# Altium PCB Thermostat_8CH.PCBDOC (part 9 of 10)
Units mil, origin at the board's own origin, x right, y up, seen from the top; angles counter-clockwise.
Board outline 8409.08 x 3937.01 mil, 4 copper layers (TOP, G1, L2, BOT), stack 61.024 mil thick; 941 components, 513 nets, 2912 pads, 1409 vias.
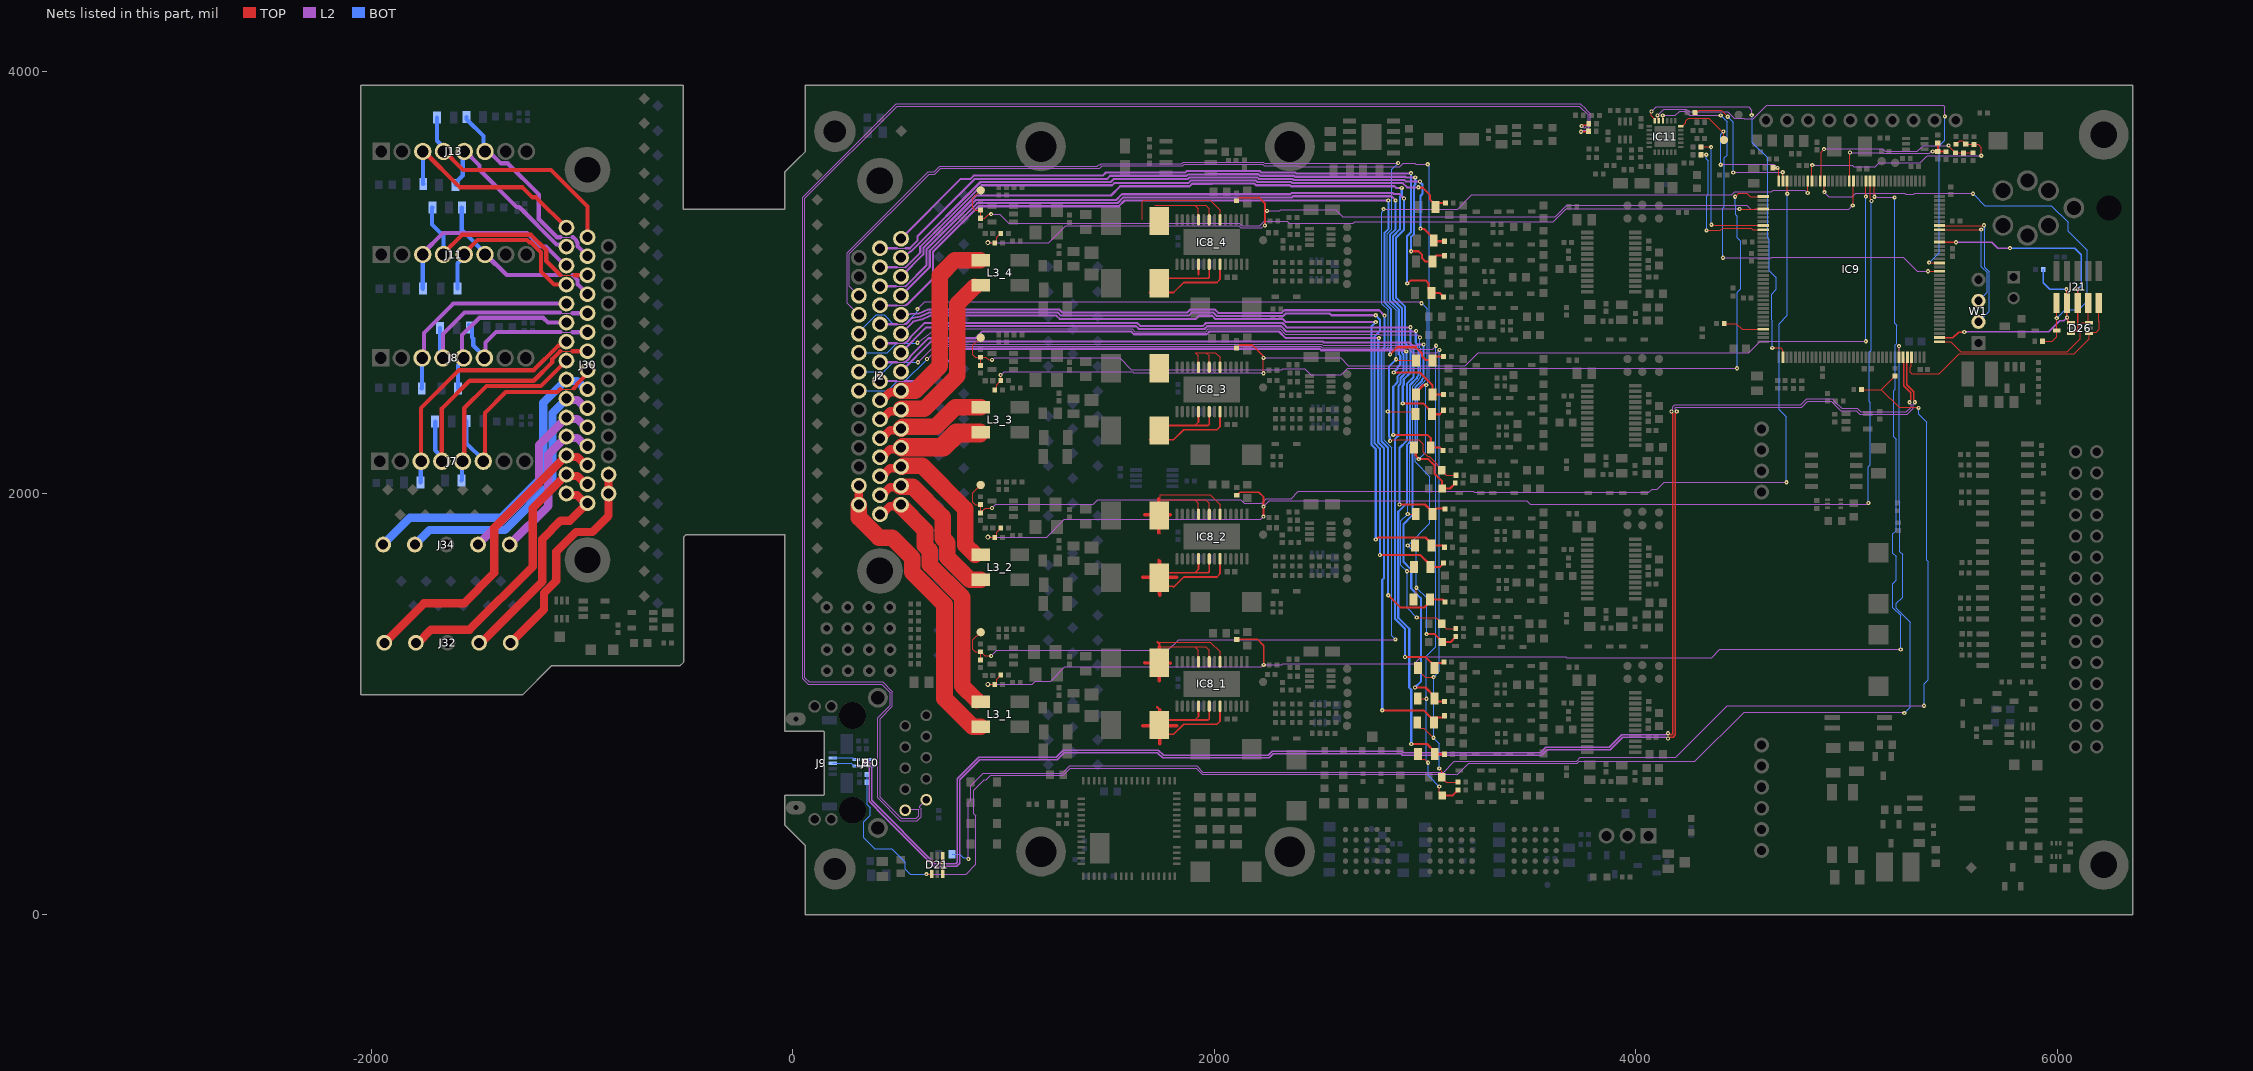
[diagram p11: the nets of this part, all layers, seen from the top]

## Via types
v1: diameter 19.68, hole 7.87, TOP to BOT, tented both sides, 1030 vias
v2: diameter 27.56, hole 15.75, TOP to BOT, tented both sides, 191 vias
v3: diameter 23.62, hole 11.81, TOP to BOT, tented both sides, 97 vias
v4: diameter 23.62, hole 11.81, TOP to BOT, 81 vias
v5: diameter 25.98, hole 12.99, TOP to BOT, tented both sides, 10 vias

## Nets (pads, with @x,y where several pads share a name; then routed paths per layer and width w, separated by ;. In a path a pad name is that pad's centre, name@x,y a point inside that pad or via, vN(x,y) a via of type N, cw(c..) or ccw(c..) an arc to the next point about the centre after c; other vN are vias at no path point) (continued)
RMII_MDIO: B17.1 IC9.36 IC11.12 R98.2 | length 812
  TOP w5: IC11.12@4213.37,3742.13 4221.44,3742.13 4237.67,3758.35 4237.67,3767.2 4250.89,3780.41 4345.37,3780.41 4406.45,3719.34 4412.56,3719.34 v1(4415.37,3716.53) ; v1@4415,3716 4416.69,3714.31 4416.69,3678.31 B17.1@4418,3677 ; R98.2@4650.27,3544.75 v1@4667.72,3544.75 ; v1(4672.99,3544.51) 4672.99,3539.48 4678.26,3534.21 IC9.36@4678.26,3482.03
  L2 w5: v1(4403.34,3559.43) 4406.01,3562.09 4655.4,3562.09 v1(4672.99,3544.51)
  BOT w5: v1(4403.34,3559.43) 4403.34,3704.04 4415.37,3716.07 v1(4415.37,3716.53)
RMII_REF_CLK: IC9.35 R29.1 | length 725.4
  TOP w5: R29.1@4280.24,3806.89 4285.26,3811.91 4296.23,3811.91 4301.66,3817.34 4405.43,3817.34 v1(4436,3786.76) ; v1(4697.01,3523.6) 4697.48,3523.13 4697.48,3482.5 IC9.35@4697.95,3482.03
  L2 w5: v1(4462.45,3522.15) 4463.18,3522.88 4696.28,3522.88 v1(4697.01,3523.6)
  BOT w5: v1(4436,3786.76) 4462.45,3760.31 v1(4462.45,3522.15)
RMII_RXD0: IC9.44 R23.1 | length 666.1
  TOP w5: R23.1@4308.89,3642.91 R23.1@4308.89,3643.7 4356.56,3643.7 v1(4357.34,3642.91) ; v1(4358.71,3274.37) 4361.37,3271.71 4603.15,3271.71 IC9.44@4604.44,3270.41
  BOT w5: v1(4357.34,3642.91) 4358.03,3642.23 4358.03,3275.05 v1(4358.71,3274.37)
RMII_RXD1: IC9.45 R24.1 | length 668.1
  TOP w5: R24.1@4308.65,3606.3 v1(4334.49,3606.3) ; v1(4336.15,3247.88) 4400.49,3247.88 4411.55,3258.94 4547.02,3258.94 4555.23,3250.73 IC9.45@4604.44,3250.73
  BOT w5: v1(4334.49,3606.3) 4334.49,3587.32 4344.5,3577.31 4344.5,3419.15 4336.15,3410.81 v1(4336.15,3247.88)
RMII_TX_EN: IC9.126 IC11.16 | length 2070.8
  TOP w5: v1(4127.83,3793.62) 4128.28,3793.17 4128.28,3768.17 IC11.16@4128.73,3767.72 ; v1(5386.29,3053.88) IC9.126@5441.06,3053.88
  L2 w5: v1(4127.83,3793.62) 4187.57,3793.62 4207.59,3813.64 4235.72,3813.64 4256.05,3793.31 v1(4403.34,3793.31) ; v1(4413.51,3117.5) 4643.94,3117.5 4646.88,3120.43 5268.54,3120.43 5335.09,3053.88 v1(5386.29,3053.88)
  BOT w5: v1(4403.34,3793.31) 4432.72,3763.94 4432.72,3604.94 4420.68,3592.9 4420.68,3360.77 4413.51,3353.6 v1(4413.51,3117.5)
RMII_TXD0: IC9.128 IC11.17 | length 2273.7
  TOP w5: v1(4103.14,3793.62) 4103.14,3789.65 4106.03,3786.76 4106.03,3770.73 IC11.17@4109.04,3767.72 ; v1(5391.77,3094.48) 5392.39,3093.87 5440.44,3093.87 IC9.128@5441.06,3093.25
  L2 w5: v1(4103.14,3793.62) 4133.16,3823.64 4239.86,3823.64 4252.85,3810.66 4436.63,3810.66 4468.07,3779.22 4511.9,3779.22 4513.8,3777.32 4557.62,3777.32 4621.76,3841.46 5459.54,3841.46 5466.64,3834.36 v1(5466.64,3788.65)
  BOT w5: v1(5391.77,3094.48) 5439,3141.71 5439,3648.51 5466.64,3676.15 v1(5466.64,3788.65)
RMII_TXD1: IC9.74 IC11.18 | length 1821
  TOP w5: v1(4074.31,3811.74) 4073.25,3810.68 4073.25,3791.89 4089.36,3775.79 IC11.18@4089.36,3767.72 ; v1(4647.4,2690.04) 4687.41,2690.04 4697.95,2679.5 IC9.74@4697.95,2645.41
  L2 w5: v1(4074.31,3811.74) 4096.91,3834.34 4536.76,3834.34 4543.02,3828.08 4543.02,3825.88 4550.43,3818.47 v1(4550.43,3794.66)
  BOT w5: v1(4550.43,3794.66) 4552.49,3792.6 4552.49,3664.69 4625.4,3591.78 4625.4,3212.64 4634.07,3203.97 4634.07,3056.32 4666.95,3023.45 4666.95,2968.21 4644.07,2945.34 4644.07,2820.22 4647.4,2816.89 v1(4647.4,2690.04)
RSTn: D5.2 IC9.25 J21.10 R62.2 | length 2107.9
  TOP w5: v1(4894.8,3429.35) IC9.25@4894.8,3482.03 ; R62.2@5930.18,2721.3 5975.58,2721.3 5996.85,2742.57 J21.10@5996.85,2897.64
  L2 w5: v1(4894.8,3429.35) 4916.53,3407.62 5027.09,3407.62 5044.43,3424.96 5275.41,3424.96 5281.31,3419.06 5318.04,3419.06 5323.94,3424.96 5589.93,3424.96 5590.6,3424.29 5597.39,3424.29 v1(5600.2,3421.48)
  BOT w5: v1(5600.2,3421.48) 5656.52,3365.16 5972.47,3365.16 6050.98,3286.65 6050.98,3243.97 6142,3152.95 6142,2911.77 6101.78,2871.55 6037.97,2871.55 v1(5997.75,2831.33)
RXD: IC9.137 W1.2 | length 701.6
  TOP w5: IC9.137@5441.06,3270.41 5650.73,3270.41 v1(5652.19,3271.87)
  BOT w5: W1.2@5625.98,2813.39 5676.95,2864.35 5676.95,3052.12 5656.34,3072.72 5656.34,3258.18 5655,3259.53 5655,3269.06 v1(5652.19,3271.87)
SENS0_1: J2.23 R40_1.1 R91_1.1 | length 4268.4
  TOP w10: v1(2904.95,1222.77) 3002.9,1222.77 R91_1.1@3044.77,1180.91 ; R91_1.1@3044.77,1171.06 R91_1.1@3044.77,1180.91 ; R40_1.1@3088.96,1198.56 3085.01,1194.61 3058.47,1194.61 R91_1.1@3044.77,1180.91
  L2 w5: 491.22,2531.8 529.65,2531.8
  L2 w10: J2.23@413,2531.31 413.67,2531.98 491.04,2531.98 ; 529.65,2531.8 642.09,2531.8 796.23,2685.94 2499.79,2685.94 2506.79,2678.94 2902.41,2678.94 v1@2902.67,2678.68
  BOT w10: v1(2904.95,1222.77) 2904.95,1356.21 2857.76,1403.4 2857.76,2258.05 2873.84,2274.14 2873.84,2509.56 2883.52,2519.25 2883.52,2547.19 2912.29,2575.96 2912.29,2671.91 v1(2910.87,2673.33)
SENS0_2: J2.8 R42_1.1 R44_1.1 | length 4441.6
  TOP w10: v1(2952.15,1078.58) 3001.9,1078.58 3043.71,1036.76 3043.71,1017.08 3049.15,1011.64 R42_1.1@3092.52,1011.64
  L2 w10: J2.8@513,2577.06 656.88,2720.94 2514.29,2720.94 2518.88,2716.35 2924.2,2716.35 2938.58,2701.96 2962.32,2701.96 2966.64,2706.28 v1(2993,2706.28)
  BOT w10: v1(2952.15,1078.58) 2979.95,1106.37 2979.95,1502.36 2934.21,1548.1 2934.21,1637.92 2897.76,1674.38 2897.76,1853.61 2939.77,1895.63 2939.77,2219.58 2953.52,2233.33 2953.52,2503.34 2985.71,2535.53 2985.71,2540.75 2993,2548.04 v1(2993,2706.28)
SENS0_2_N: J2.10 R42_2.1 R44_2.1 | length 3710.4
  TOP w10: v1(2765.75,1780.71) 2768.37,1780.71 2777.92,1790.26 3002.15,1790.26 3030.86,1761.56 R44_2.1@3030.86,1751.72 3085.58,1751.72 3092.5,1744.8 R42_2.1@3092.5,1744.01
  L2 w10: J2.10@513,2757.37 570.23,2814.6 608.66,2824.39 612.71,2825.44 652.75,2842.89 1250.41,2842.89 1265.43,2827.87 1912.79,2827.87 1927.2,2842.28 1989.51,2842.28 2005.36,2826.43 2325.64,2826.43 2339.84,2812.23 v1(2765.75,2812.23)
  BOT w10: v1(2765.75,1780.71) 2765.75,2210.34 2745.58,2230.51 2745.58,2792.05 v1(2765.75,2812.23)
SENS0_2_P: J2.25 R40_2.1 R91_2.1 | length 3685.7
  TOP w10: v1(2878.41,1946.8) 2999.27,1946.8 R91_2.1@3034.37,1911.71 ; R91_2.1@3034.37,1901.86 R91_2.1@3034.37,1911.71 ; R91_2.1@3040.94,1918.28 R91_2.1@3034.37,1911.71 ; R91_2.1@3050.07,1927.41 R40_2.1@3092.53,1927.41
  L2 w5: 494.4,2712.11 528.77,2712.11
  L2 w10: J2.25@413,2711.62 413.49,2712.11 494.4,2712.11 ; 528.77,2712.11 529.65,2712.99 ccw(c513,2757.37) 557.38,2740.72 625.16,2808.5 1335.3,2808.5 1335.88,2807.92 1634.79,2807.92 1647.99,2794.72 1946.9,2794.72 1960.11,2807.92 2322.94,2807.92 2343.23,2787.63 v1(2930.82,2787.63)
  BOT w10: v1(2878.41,1946.8) 2878.41,2214.79 2913.52,2249.9 2913.52,2420.71 2913.52,2519.91 2945.71,2552.09 2945.71,2691.39 2930.82,2706.28 v1(2930.82,2787.63)
SENS0_3_N: J2.12 R42_3.1 R44_3.1 | length 3763.3
  TOP w10: v1(2851.18,2573.09) 2974.16,2573.09 3035.48,2511.77 R44_3.1@3035.48,2468.23 3036.24,2469 R42_3.1@3087.55,2469
  L2 w10: J2.12@513,2937.69 649.06,3073.75 649.06,3151.46 874.54,3376.94 1540,3376.94 1567.22,3404.16 2366.98,3404.16 2372.44,3409.62 2840.38,3409.62 v1(2860,3390)
  BOT w10: v1(2851.18,2573.09) 2868.75,2590.66 2868.75,2597.73 2882.29,2611.27 2882.29,2652.63 2874.95,2659.98 2874.95,2872.78 2832.79,2914.94 2832.79,3226.08 2860,3253.28 v1(2860,3390)
SENS0_3_P: J2.27 R40_3.1 R91_3.1 | length 3743.9
  TOP w10: v1(2833.88,2659.09) 2867.96,2693.18 2956.19,2693.18 2985.44,2663.93 2985.44,2649.56 3001.77,2633.22 R91_3.1@3027.6,2633.22 ; R91_3.1@3035.48,2636.13 3049.18,2649.83 R40_3.1@3087.55,2649.83
  L2 w5: 493.91,2892.49 532.4,2892.49
  L2 w10: J2.27@413,2891.94 493.91,2891.94 ; 532.4,2891.94 ccw(c516.62,2936.64) 550.14,2903.12 664.06,3017.04 664.06,3145.25 880.75,3361.94 1546.22,3361.94 1573.44,3389.16 2824.38,3389.16 v1(2825,3389.78)
  BOT w10: v1(2825,3389.78) 2826.78,3388 2826.78,3255.42 2807.79,3236.43 2807.79,2904.58 2837.35,2875.02 2837.35,2688.16 2833.88,2684.69 v1(2833.88,2659.09)
SENS0_4_N: J2.14 R42_4.1 R44_4.1 | length 3018.5
  TOP w10: v1(2978,3256) 2979.85,3254.15 2995.56,3254.15 3041.14,3208.56 3041.14,3188.87 3048.44,3196.17 R42_4.1@3092.5,3196.17
  L2 w10: J2.14@513,3118 526.95,3118 557.03,3148.08 560.83,3148.08 890.13,3477.38 1508.95,3477.38 1523.63,3492.06 1874.82,3492.06 1881.5,3498.74 1975.9,3498.74 1976.43,3499.27 2203.03,3499.27 2210.23,3492.06 2371.57,3492.06 2376.26,3487.38 2900.49,3487.38 2908.38,3479.49 v1(2976.08,3479.49)
  BOT w10: v1(2976.08,3479.49) 2976.08,3476.87 2987.84,3465.11 2987.84,3420.9 2978,3411.06 v1(2978,3256)
SENS0_4_P: J2.29 R40_4.1 R91_4.1 | length 2945.7
  TOP w10: v1(2968,3452) 2969.85,3450.15 2988.91,3450.15 3022.84,3416.22 3022.84,3395.45 3048.86,3369.44 R91_4.1@3048.86,3363.26 ; R91_4.1@3048.86,3359.6 R91_4.1@3048.86,3363.26 ; R40_4.1@3096.38,3376.96 3062.56,3376.96 R91_4.1@3048.86,3363.26
  L2 w5: 493.1,3072.74 534.78,3072.74
  L2 w10: J2.29@413,3072.25 413.49,3072.74 493.1,3072.74 ; 534.78,3072.74 604.06,3142.03 604.06,3170.1 896.02,3462.06 1514.84,3462.06 1524.84,3472.06 1876.04,3472.06 1887.72,3483.74 1982.12,3483.74 1982.64,3484.27 2196.81,3484.27 2204.02,3477.06 2365.36,3477.06 2370.36,3472.06 2894.59,3472.06 2914.65,3452 v1(2968,3452)
SENS1_1: J2.24 R46_1.1 R50_1.1 | length 4577.6
  TOP w10: v1(2796.59,970.11) 2992.96,970.11 3027.82,935.24 3031.92,935.24 R50_1.1@3032.2,934.97 ; R50_1.1@3041.53,911.7 3032.2,921.03 R50_1.1@3032.2,934.97 ; R46_1.1@3092.52,944 3092.52,943.21 3084.55,935.24 3032.47,935.24 R50_1.1@3032.2,934.97
  L2 w5: 494.4,2621.96 528.77,2621.96
  L2 w10: J2.24@413,2621.46 413.49,2621.96 494.4,2621.96 ; 528.77,2621.96 529.65,2622.83 ccw(c513,2667.21) 557.38,2650.56 642.75,2735.94 865.79,2735.94 898.35,2768.5 1247.02,2768.5 1247.6,2767.92 1604.88,2767.92 1618.09,2754.72 1963.47,2754.72 1976.67,2767.92 2306.37,2767.92 2338.1,2736.19 v1(2780.42,2736.19)
  BOT w10: v1(2780.42,2736.19) 2780.42,2733.57 2777.79,2730.94 2777.79,2240.73 2804.97,2213.55 2804.97,1597.33 2796.59,1588.95 v1(2796.59,970.11)
SENS1_2: J2.9 R48_1.1 R132_1.1 | length 4745.6
  TOP w10: v1(2934.5,810.31) 3009.02,810.31 3045.9,773.43 3045.9,754.27 3053.21,761.58 R48_1.1@3092.52,761.58
  L2 w10: J2.9@513,2667.21 633.32,2787.53 666.9,2787.53 672.87,2793.5 1329.09,2793.5 1329.67,2792.92 1628.58,2792.92 1641.78,2779.72 1953.12,2779.72 1966.32,2792.92 2316.73,2792.92 2341.86,2767.78 2939.04,2767.78 2939.71,2768.45 2955.48,2768.45 v1(2957.34,2770.31)
  BOT w10: v1(2934.5,810.31) 2934.5,1068.17 2924.79,1077.88 2924.79,1357.58 2872.76,1409.61 2872.76,1913.08 2914.77,1955.09 2914.77,2229.93 2928.52,2243.69 2928.52,2513.69 2960.71,2545.88 2960.71,2551.1 2968,2558.39 2968,2680 2963.05,2684.95 2963.05,2707.54 2955.71,2714.88 2955.71,2768.68 v1(2957.34,2770.31)
SENS1_2_N: J2.11 R48_2.1 R132_2.1 | length 4001
  TOP w10: v1(2824.81,1516.08) 2883.57,1457.32 2995,1457.32 3023.7,1486.02 R132_2.1@3023.7,1495.86 3083.93,1495.86 3095,1484.8 R48_2.1@3095,1484.01
  L2 w10: J2.11@513,2847.53 598.77,2853.93 640.32,2872.89 1262.83,2872.89 1277.86,2857.87 1871.35,2857.87 1885.76,2872.28 2001.94,2872.28 2017.78,2856.43 2319.94,2856.43 2332.03,2868.51 2781.89,2868.51 v1(2807.51,2842.89)
  BOT w10: v1(2807.51,2842.89) 2807.51,2693.67 2792.79,2678.95 2792.79,2246.94 2824.81,2214.92 v1(2824.81,1516.08)
SENS1_2_P: J2.26 R46_2.1 R50_2.1 | length 3904.7
  TOP w10: v1(2785.12,1707.45) 2977.32,1707.45 3025.38,1659.39 R50_2.1@3025.38,1649.55 3069.33,1649.55 3087.77,1667.99 R46_2.1@3087.77,1668.78
  L2 w5: 494.4,2802.27 494.58,2802.45 532.26,2802.45
  L2 w10: J2.26@413,2801.78 413.49,2802.27 494.4,2802.27 ; 532.26,2802.45 536.87,2802.45 566.94,2832.53 605.44,2839.39 646.53,2857.89 1256.62,2857.89 1271.64,2842.87 1877.56,2842.87 1891.97,2857.28 1995.72,2857.28 2011.57,2841.43 2326.16,2841.43 2338.24,2853.51 2546.32,2853.51 2555.05,2844.78 v1(2765.75,2844.78)
  BOT w10: v1(2765.75,2844.78) 2785.59,2824.94 2785.59,2769.42 2760.58,2744.41 2760.58,2236.73 2785.59,2211.71 2785.59,1707.92 v1(2785.12,1707.45)
SENS1_3_N: J2.13 R48_3.1 R132_3.1 | length 4108.2
  TOP w10: v1(2848.9,2277.26) 3010.37,2277.26 3026.62,2261.01 R132_3.1@3026.62,2218.08 3069.81,2218.08 3084.47,2203.41 R48_3.1@3084.47,2202.62 R48_3.1@3083.32,2203.77
  L2 w10: J2.13@513,3027.84 619.06,3133.91 619.06,3163.89 868.56,3413.39 1509.27,3413.39 1552.95,3457.06 1882.25,3457.06 1893.93,3468.74 1988.33,3468.74 1988.86,3469.27 2190.6,3469.27 2197.81,3462.06 2359.15,3462.06 2364.15,3457.06 2854.83,3457.06 2862.3,3449.59 v1(2889,3449.59)
  BOT w10: v1(2848.9,2277.26) 2848.9,2505.84 2868.52,2525.46 2868.52,2553.4 2897.29,2582.17 2897.29,2658.85 2889.95,2666.19 2889.95,2878.99 2847.79,2921.15 2847.79,3219.86 2880.16,3252.23 2880.16,3407.22 2889,3416.06 v1(2889,3449.59)
SENS1_3_P: J2.28 R46_3.1 R50_3.1 | length 3986.2
  TOP w10: v1(2893.68,2426.8) 2991.25,2426.8 3033.03,2385.02 R50_3.1@3033.03,2375.18 3069.62,2375.18 3087.92,2393.48 R46_3.1@3087.92,2394.27
  L2 w5: 487.96,2982.59 534.78,2982.59
  L2 w10: J2.28@413,2982.09 413.49,2982.59 487.96,2982.59 ; 534.78,2982.59 634.06,3081.87 634.06,3157.68 868.32,3391.94 1533.79,3391.94 1561.01,3419.16 2360.76,3419.16 2366.23,3424.62 2846.59,3424.62 2851.47,3419.75 2879.25,3419.75 v1(2900,3399)
  BOT w10: v1(2893.68,2426.8) 2893.68,2508.19 2898.52,2513.04 2898.52,2540.98 2930.71,2573.16 2930.71,2685.18 2904.95,2710.94 2904.95,2885.21 2862.79,2927.37 2862.79,3213.65 2900,3250.86 v1(2900,3399)
SENS1_4_N: J2.15 R48_4.1 R132_4.1 | length 3321.2
  TOP w10: v1(2915,2996) 2917.62,2996 2931.9,3010.28 3003.53,3010.28 3016.35,2997.47 3016.35,2964.32 R132_4.1@3030.05,2950.62 3069.56,2950.62 3087.55,2932.64 R48_4.1@3087.55,2931.85
  L2 w10: J2.15@513,3208.16 797.23,3492.38 843.05,3492.38 858.05,3507.38 1470.97,3507.38 1485.65,3522.06 1862.4,3522.06 1869.08,3528.74 1963.48,3528.74 1964,3529.27 2215.45,3529.27 2222.66,3522.06 2384,3522.06 2388.69,3517.38 2931.28,3517.38 v1(2933.07,3519.17)
  BOT w10: v1(2915,2996) 2913.87,2997.13 2913.87,3218.99 2933.07,3238.19 v1(2933.07,3519.17)
SENS1_4_P: J2.30 R46_4.1 R50_4.1 | length 3267.6
  TOP w10: v1(2933.71,3148.56) 2968.92,3148.56 2985.88,3131.6 2985.88,3115.26 3000.98,3100.15 R50_4.1@3034.68,3100.15 3034.68,3110 3052.29,3127.6 R46_4.1@3092.5,3127.6
  L2 w5: 494.4,3162.9 534.78,3162.9
  L2 w10: J2.30@413,3162.41 413.49,3162.9 494.4,3162.9 ; 534.96,3163.08 554.61,3163.08 590.38,3198.84 590.38,3218.5 864.26,3492.38 1491.4,3492.38 1506.08,3507.06 1868.61,3507.06 1875.29,3513.74 1969.69,3513.74 1970.22,3514.27 2209.24,3514.27 2216.45,3507.06 2377.79,3507.06 2382.47,3502.38 2906.7,3502.38 2909.75,3499.33 v1(2953.09,3499.33)
  BOT w10: v1(2933.71,3148.56) 2933.71,3217.62 2948.16,3232.06 2948.16,3460.22 2953.09,3465.15 v1(2953.09,3499.33)
SENSB0_1: J7.6 J30.23 R157.1 | length 1034.7
  TOP w5: -1104.53,2493.71 -1103.45,2494.79 -1043,2494.79 -1040.24,2497.56
  TOP w19.68: J7.6@-1469.43,2157.96 -1461.52,2165.87 -1461.52,2381.89 -1362.77,2480.64 -1117.6,2480.64 -1104.53,2493.71 ; -1040.24,2497.56 -1027.06,2510.73 -1027.06,2516.94 -974.82,2569.19 J30.23@-974.82,2584.1
  L2 w5: J30.23@-974.82,2576.19 J30.23@-974.82,2584.1
  BOT w19.68: R157.1@-1548.37,2342 -1548.37,2236.91 J7.6@-1469.43,2157.96
SENSB0_2: J7.5 J30.8 R158.1 | length 938.4
  TOP w19.68: J7.5@-1567.85,2157.96 -1559.95,2165.87 -1559.95,2403.79 -1454.42,2509.32 -1195.35,2509.32 J30.8@-1074.82,2629.85
  L2 w5: J30.8@-1085.39,2629.85 J30.8@-1074.82,2629.85
  BOT w19.68: R158.1@-1572.63,2060 -1570.24,2062.39 -1570.24,2155.57 J7.5@-1567.85,2157.96
SENSB1_1: J7.4 J30.24 R159.1 | length 1256
  TOP w5: -1103.89,2675.2 -1103.45,2674.75 -1045.83,2674.75
  TOP w19.68: J7.4@-1666.28,2157.96 -1666.28,2401.72 -1534,2534 -1230.1,2534 -1141.95,2622.16 -1141.95,2637.14 -1103.89,2675.2 ; -1046.92,2675.84 -1045.83,2674.75 -1045.34,2674.26 J30.24@-974.82,2674.26
  L2 w5: J30.24@-975.31,2674.75 J30.24@-974.82,2674.26
  BOT w19.68: R159.1@-1697.74,2341 -1697.74,2204.34 -1666.28,2172.88 J7.4@-1666.28,2157.96
SENSB1_2: J7.3 J30.9 R160.1 | length 1173.9
  TOP w19.68: J7.3@-1764.7,2157.96 -1764.7,2403.79 -1584.39,2584.1 -1229.89,2584.1 -1114.11,2699.88 -1109.86,2699.88 -1089.73,2720.01 J30.9@-1074.82,2720.01
  BOT w19.68: R160.1@-1767.63,2052 -1766.17,2053.46 -1766.17,2156.5 J7.3@-1764.7,2157.96
SENSB2_1: J8.6 J30.25 R163.1 | length 830
  L2 w5: -1103.8,2764.91 -1045.61,2764.91 -975.31,2764.91 J30.25@-974.82,2764.42
  L2 w19.68: J8.6@-1464.47,2648.15 -1459.74,2652.88 -1459.74,2715.08 -1409.91,2764.91 -1103.8,2764.91 -1102.72,2765.99
  L2 w20: -1046.67,2765.97 -1045.61,2764.91 -1045.12,2764.42 J30.25@-974.82,2764.42
  BOT w19.68: R163.1@-1538,2799 -1523.14,2784.14 -1523.14,2740.14 -1517,2734 -1517,2700.68 J8.6@-1464.47,2648.15
SENSB2_2: J8.5 J30.10 R164.1 | length 797.6
  L2 w19.68: J8.5@-1562.9,2648.15 -1570,2655.25 -1570,2751 -1487.92,2833.08 -1185.14,2833.08 -1162.23,2810.17 J30.10@-1074.82,2810.17
  BOT w19.68: R164.1@-1589,2497 -1589,2607.13 -1567,2629.13 J8.5@-1567,2641
SENSB3_1: J8.4 J30.26 R165.1 | length 965.6
  L2 w5: -1105.01,2857.68 -1102.39,2855.07 -1045.61,2855.07
  L2 w19.68: J8.4@-1661.32,2648.15 -1661.32,2755.68 -1559.24,2857.76 -1174.92,2857.76 -1174.84,2857.68 -1105.01,2857.68
  L2 w20: -1046.67,2856.12 -1045.61,2855.07 -1045.12,2854.57 J30.26@-974.82,2854.57
  BOT w19.68: R165.1@-1674.37,2785 -1674.37,2676.11 -1664.26,2666 J8.4@-1661,2666
SENSB3_2: J8.3 J30.11 R167.1 | length 1008.5
  L2 w19.68: J8.3@-1759.75,2648.15 -1751,2656.9 -1751,2761 -1611.68,2900.32 J30.11@-1076.68,2900.32 ; J30.11@-1074.82,2900.32 J30.11@-1076.68,2900.32 ; J30.11@-1072,2905 J30.11@-1076.68,2900.32
  BOT w19.68: R167.1@-1761.26,2497 -1760.5,2497.76 -1760.5,2647.5 J8.3@-1760,2648
SENSB4_1: J11.6 J30.27 R168.1 | length 910.6
  L2 w5: -1102.39,3035.56 -1045.79,3035.56
  L2 w19.68: J11.6@-1461.52,3139.06 -1461.52,3134.3 -1416.57,3089.35
  L2 w20: J11.6@-1461.52,3139.06 -1414.19,3091.73 -1358.02,3035.56 -1102.39,3035.56 ; -1045.79,3035.56 -1022.42,3012.19 -1022.42,2992.45 -974.82,2944.86 J30.27@-974.82,2944.73
  BOT w19.68: R168.1@-1571.37,3357 -1571.37,3248.91 J11.6@-1461.52,3139.06
SENSB4_2: J11.5 J30.12 R169.1 | length 832.6
  TOP w19.68: J11.5@-1559.95,3139.06 -1497,3202 -1261.47,3202 -1250.77,3191.3 -1243.03,3191.3 -1195.35,3143.62 -1195.35,3052.83 -1133,2990.48 J30.12@-1074.82,2990.48
  BOT w19.68: R169.1@-1592.63,2972 -1592.63,3091.46 -1559.95,3124.14 J11.5@-1559.95,3139.06
SENSB5_1: J11.4 J30.28 R171.1 | length 1132.7
  TOP w5: -1105.24,3037.18 -1103.45,3035.38 -1036.8,3035.38 -975.31,3035.38 J30.28@-974.82,3034.89
  TOP w19.68: J11.4@-1658.37,3139.06 -1570.74,3226.68 -1243.51,3226.68 -1170.67,3153.85 -1170.67,3102.6 -1105.24,3037.18 ; -1036.8,3034.89 J30.28@-975.31,3034.89
  L2 w5: J30.28@-975.31,3035.38 J30.28@-974.82,3034.89
  BOT w19.68: R171.1@-1711.37,3357 -1713,3355.37 -1713,3276 -1658.37,3221.37 J11.4@-1658.37,3139.06
SENSB5_2: J11.3 J30.13 R172.1 | length 954.8
  L2 w19.68: J11.3@-1756.8,3139.06 -1659.85,3236 -1262.2,3236 -1197,3170.8 -1172.37,3170.8 -1082.21,3080.64 J30.13@-1074.82,3080.64
  BOT w19.68: J11.3@-1756.8,3139.06 -1756.53,3138.79 -1756.53,2971.27 R172.1@-1756.26,2971
SENSB6_1: J13.6 J30.29 R176.1 | length 970.3
  L2 w5: -1103.62,3215.87 -1103.45,3215.7 -1056.22,3215.7 -1055.73,3215.2 -1046.67,3215.2
  L2 w19.68: J13.6@-1461.47,3628.09 -1450.33,3628.09 -1423.49,3601.24 -1421.56,3601.24 -1386.32,3566 -1353.36,3566 -1206,3418.64 -1206,3300.64 -1120.58,3215.22 -1104.27,3215.22 -1103.62,3215.87
  L2 w20: -1046.67,3215.2 -1043.57,3215.2 -1037.06,3208.69 -1027.22,3198.85 -1027.22,3193.5 -1022.42,3188.7 -1022.42,3172.77 -974.82,3125.17 J30.29@-974.82,3125.05
  BOT w19.68: R176.1@-1548.74,3785 -1548.74,3775.16 -1468.6,3695.02 -1468.6,3635.21 J13.6@-1461.47,3628.09
SENSB6_2: J13.5 J30.14 R177.1 | length 868
  L2 w19.68: J13.5@-1559.9,3628.09 -1488,3556.19 -1488,3535.48 -1310.93,3358.41 -1298.68,3358.41 -1121.61,3181.34 -1085.36,3181.34 J30.14@-1074.82,3170.8
  BOT w19.68: R177.1@-1601.63,3464 -1601.63,3473.84 -1567,3508.47 -1567,3620.98 J13.5@-1559.9,3628.09
SENSB7_1: J13.4 J30.30 R178.1 | length 1109.2
  TOP w19.68: J13.4@-1658.32,3628.09 -1564.8,3534.56 -1148,3534.56 -974.82,3361.38 J30.30@-974.82,3215.2
  L2 w5: J30.30@-975.31,3215.7 J30.30@-974.82,3215.2
  BOT w19.68: R178.1@-1688.37,3784 -1688.37,3673.05 -1658.32,3643 J13.4@-1658.32,3628.09
SENSB7_2: J13.3 J30.15 R179.1 | length 1012.5
  TOP w19.68: J13.3@-1756.75,3628.09 -1580.66,3452 -1284.1,3452 -1236.72,3404.62 -1218.49,3404.62 J30.15@-1074.82,3260.95
  L2 w19.68: J13.3@-1756.75,3628.09 J13.3@-1756.75,3643 ; J30.15@-1076.68,3262.81 J30.15@-1074.82,3260.95
  BOT w19.68: J13.3@-1756.75,3628.09 -1755.69,3627.03 -1755.69,3469.06 R179.1@-1754.63,3468
SW1_1: IC8_1.19 IC8_1.21 IC8_1.23 L2_1.1 | length 1249.8
  TOP w8: L2_1.1@1738.97,856.06 1806.14,856.06 1854.32,904.24 2012.19,904.24 2026.85,918.89 IC8_1.23@2026.85,989.96 ; L2_1.1@1752.95,911.5 1765.52,924.07 1908.06,924.07 ; IC8_1.19@1924.49,989.96 1924.49,940.5 1908.06,924.07 ; IC8_1.21@1975.67,989.96 1975.67,928.75 1970.98,924.07 1908.06,924.07
  TOP w10: 1727.44,985.98 1738.97,974.45 1738.97,856.06 1738.97,811.76
  TOP w15.75: 1660.66,896.89 1821.72,896.89 ; 1741.19,811.77 1741.19,972.82
SW1_2: IC8_2.19 IC8_2.21 IC8_2.23 L2_2.1 | length 1235.1
  TOP w6: L2_2.1@1735.19,1557.83 1803.18,1557.83 1806.14,1554.87
  TOP w8: L2_2.1@1752.95,1610.32 1765.28,1622.65 1907.82,1622.65 1908.06,1622.89 ; 1806.14,1554.87 1854.32,1603.06 2012.19,1603.06 2026.85,1617.71 IC8_2.23@2026.85,1688.78 ; IC8_2.19@1924.49,1688.78 1924.49,1639.32 1908.06,1622.89 ; IC8_2.21@1975.67,1688.78 1975.67,1627.57 1970.98,1622.89 1908.06,1622.89